# Altium PCB as14120_all.PcbDoc (part 1 of 4)
Units mm, origin at the board's own origin, x right, y up, seen from the top; angles counter-clockwise.
Board outline 130 x 100 mm, 6 copper layers (Top Layer, GND_top, Signal_Power, Signal_midle, GND_bot, Bottom Layer), stack 1.003 mm thick; 383 components, 353 nets, 2210 pads, 1060 vias.
Unrouted connection lines stored in the file: 634.
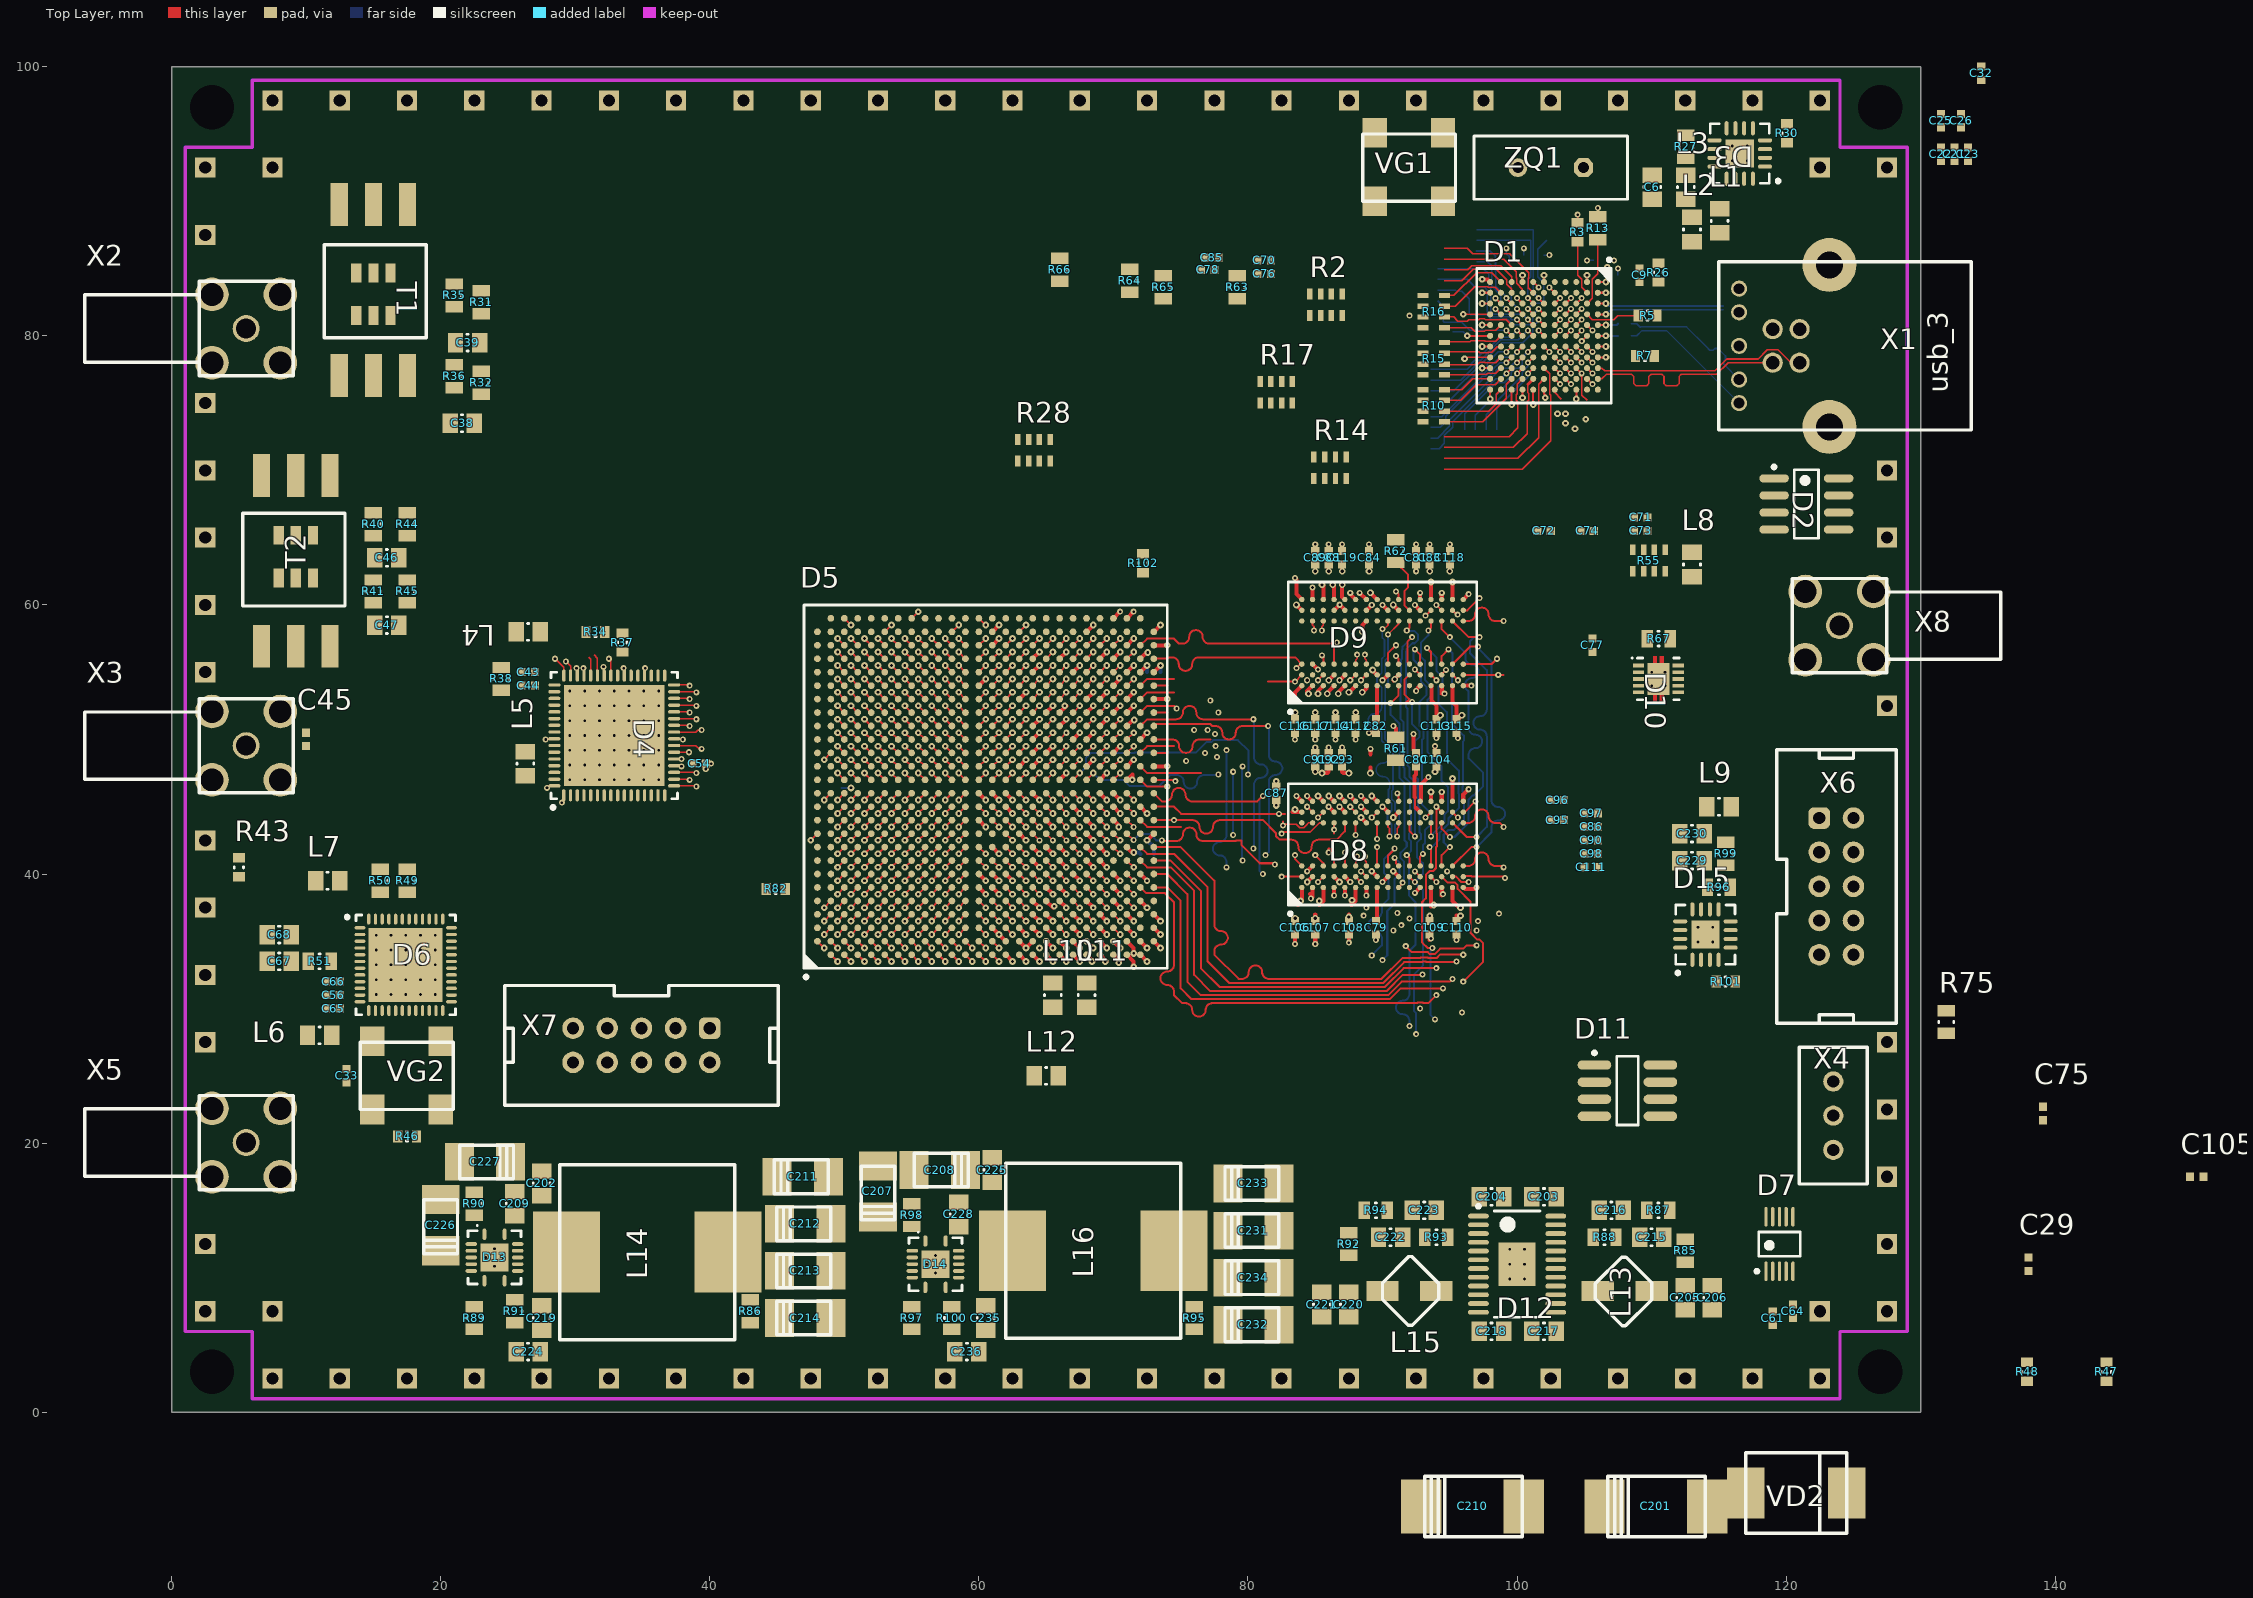
[diagram p0: Top Layer view]
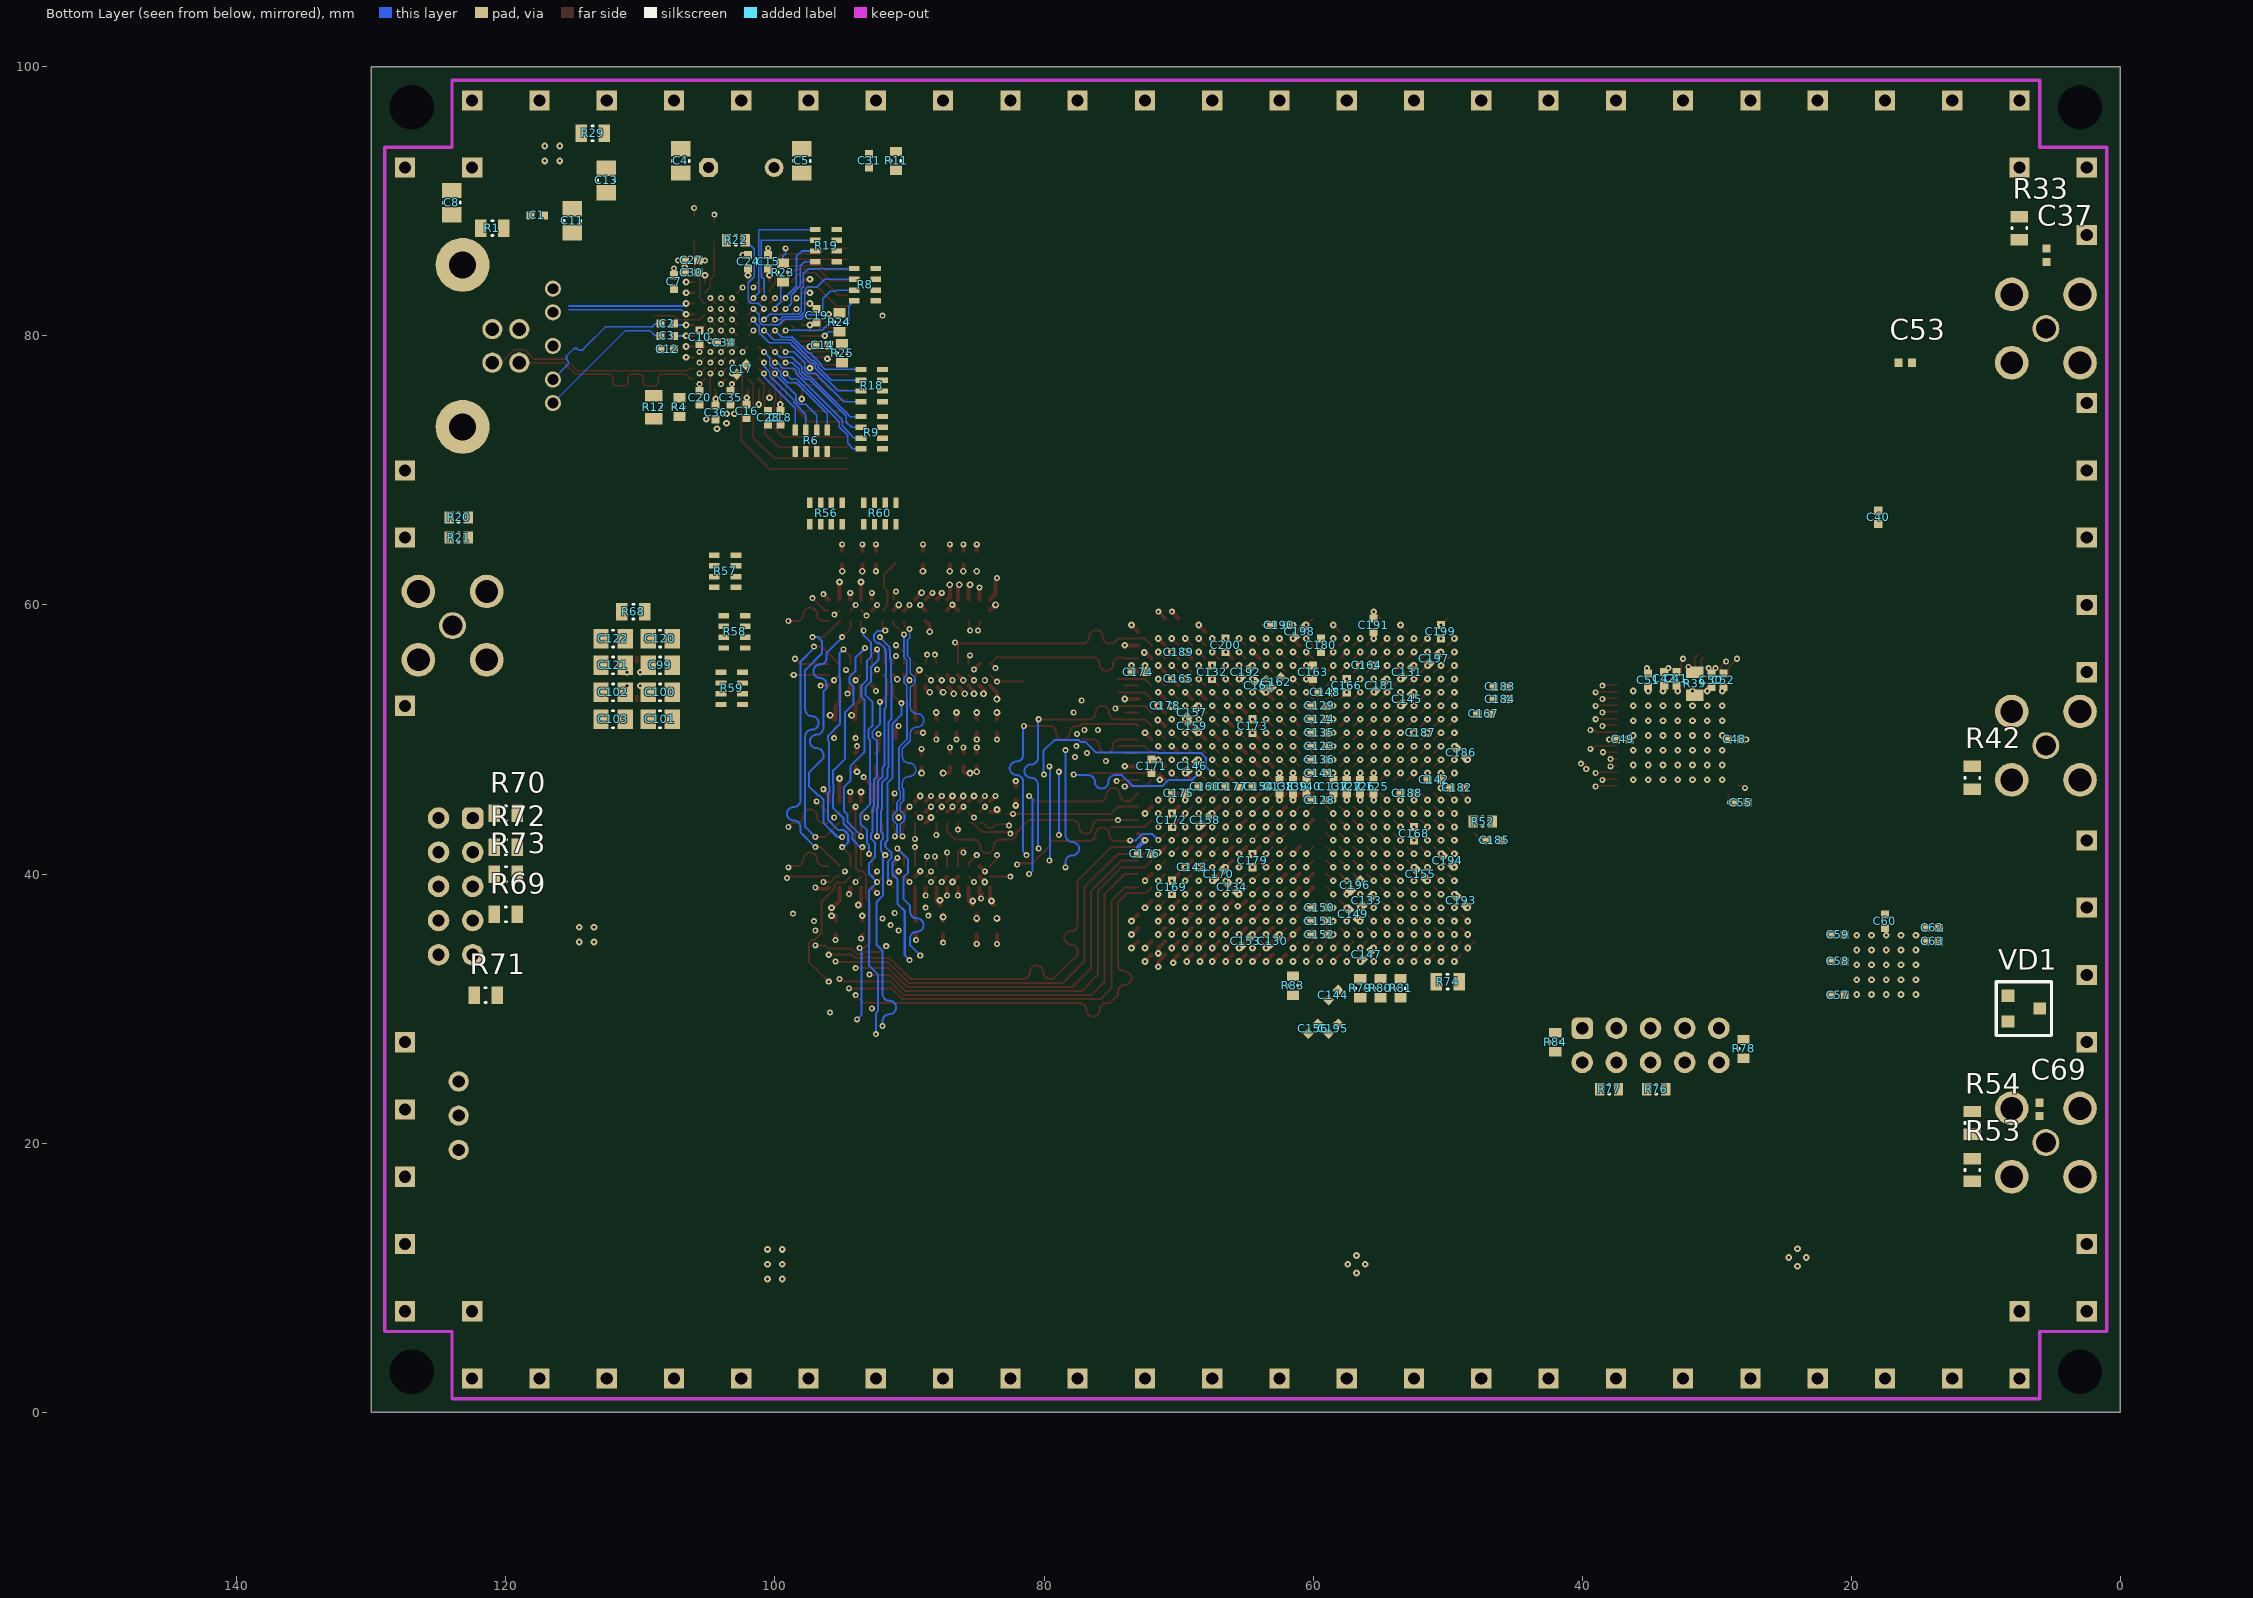
[diagram p1: Bottom Layer view, seen from below]
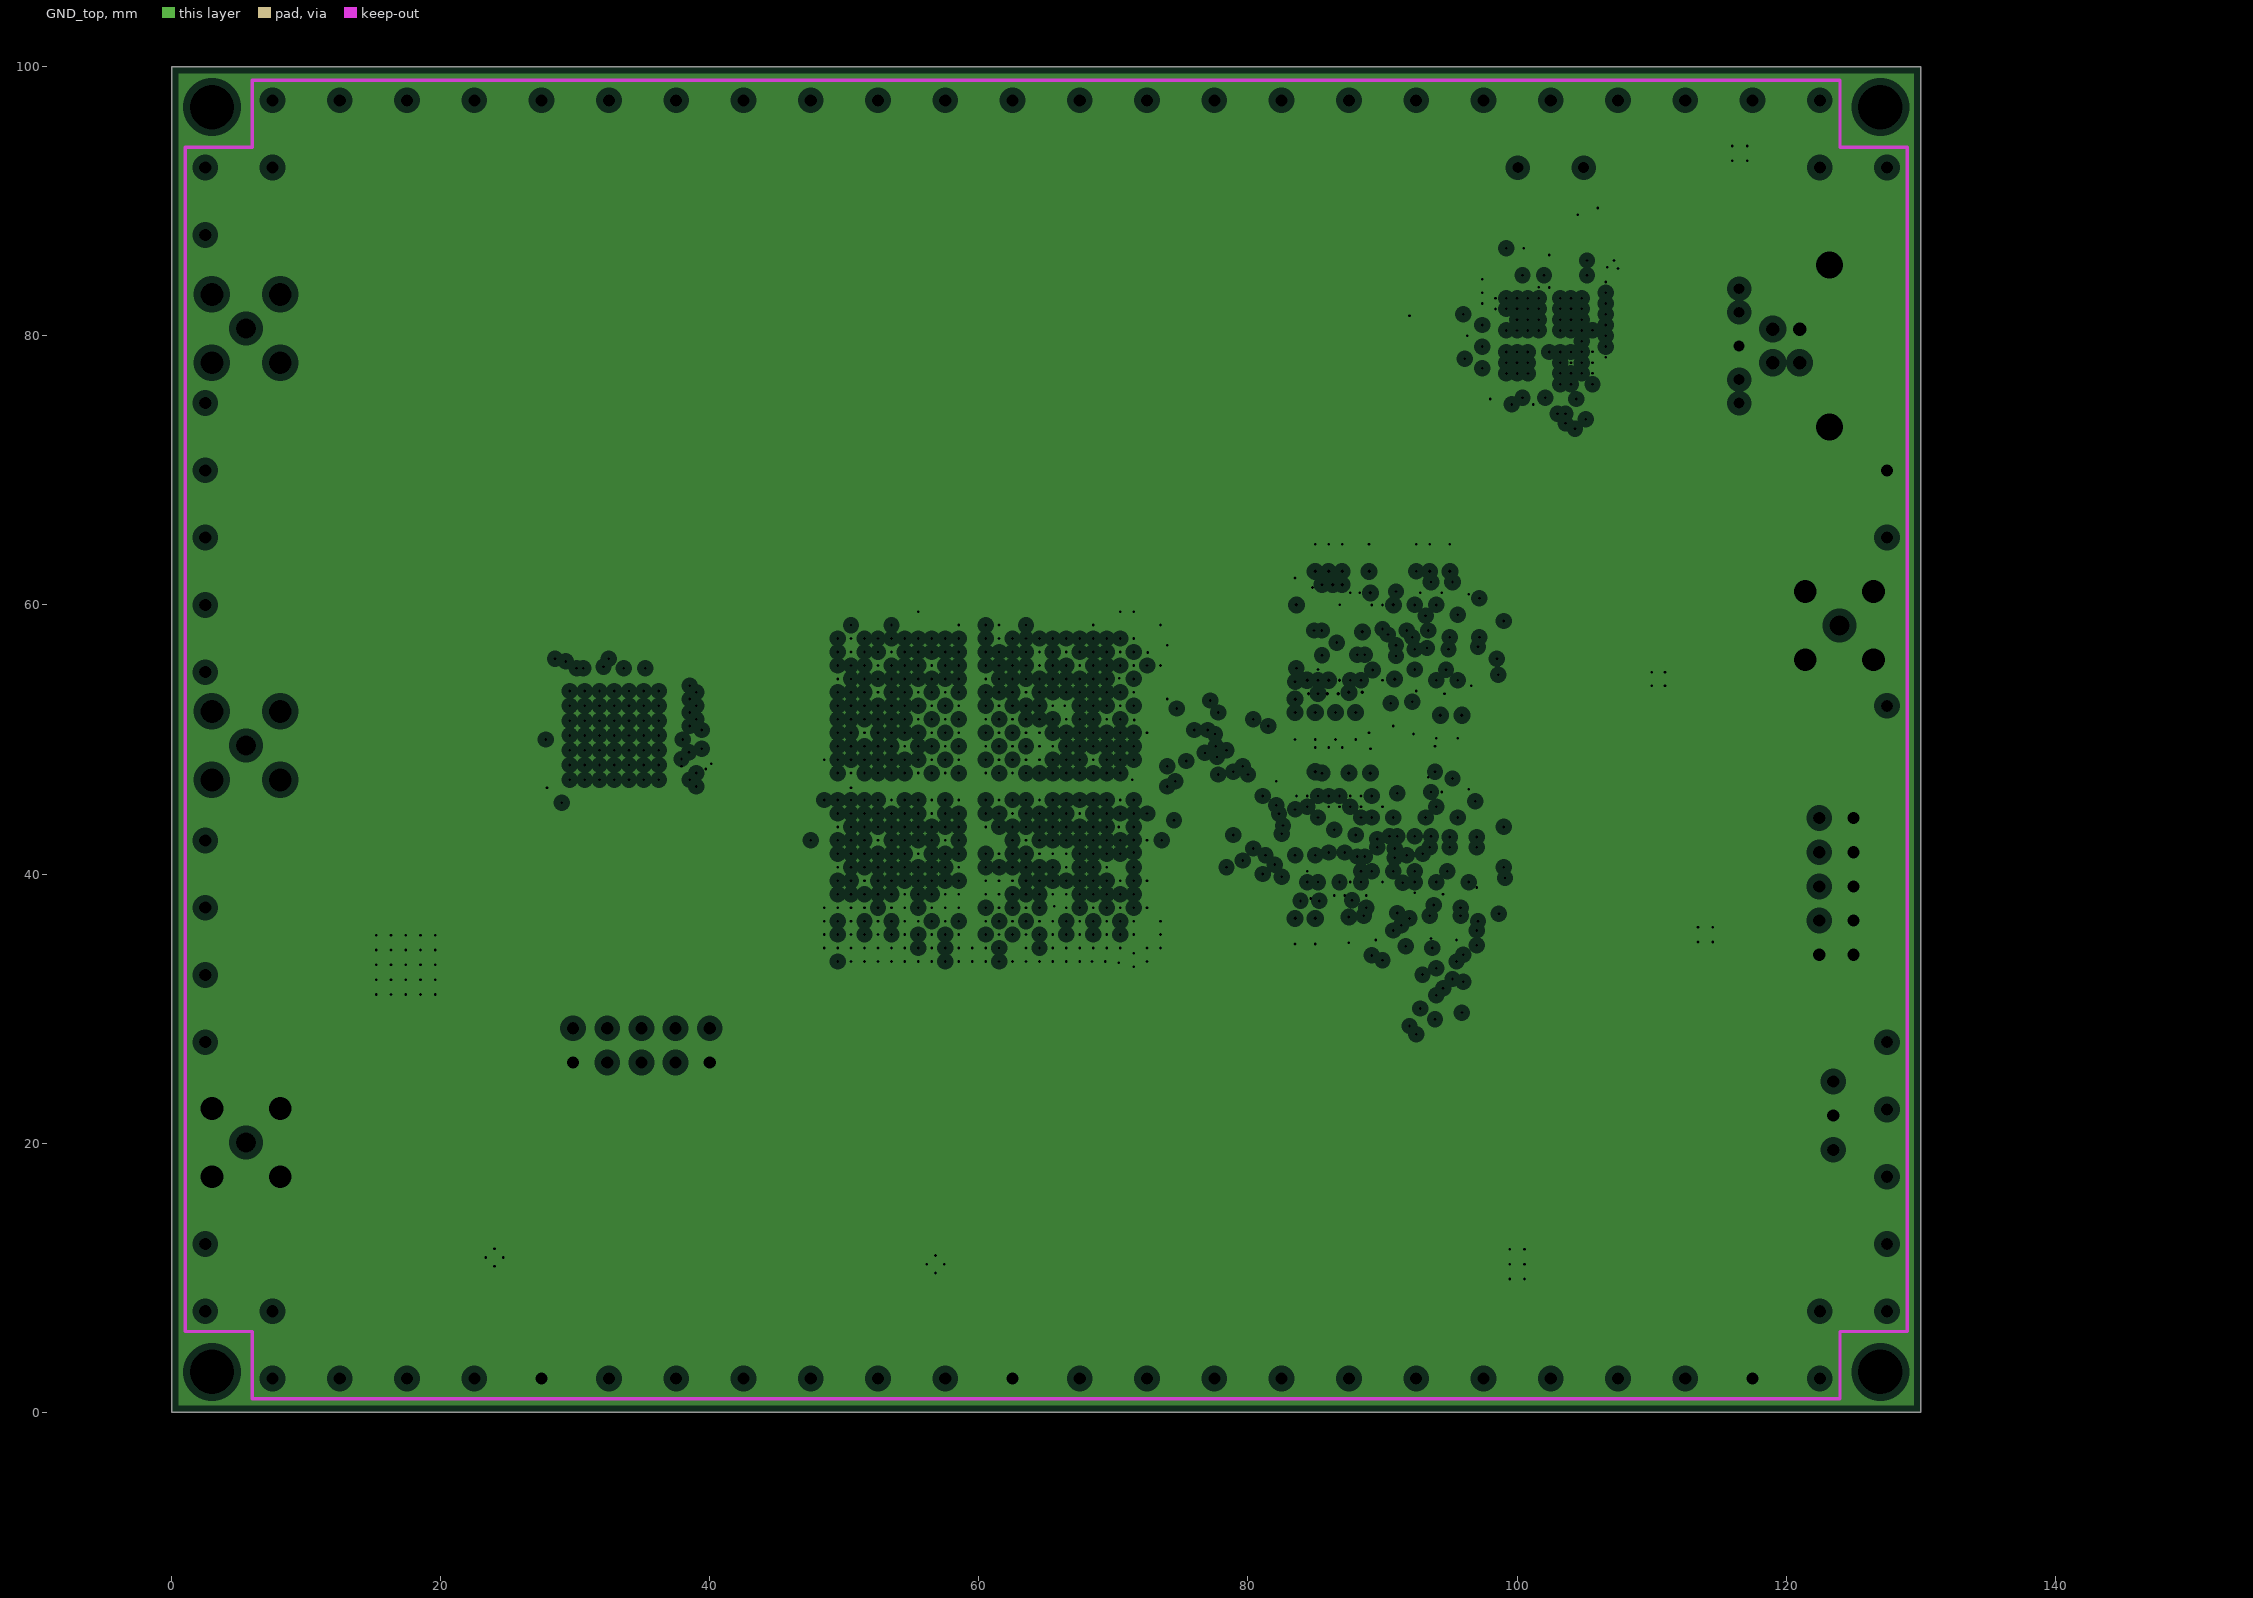
[diagram p2: GND_top, clearances drawn from the general rule]
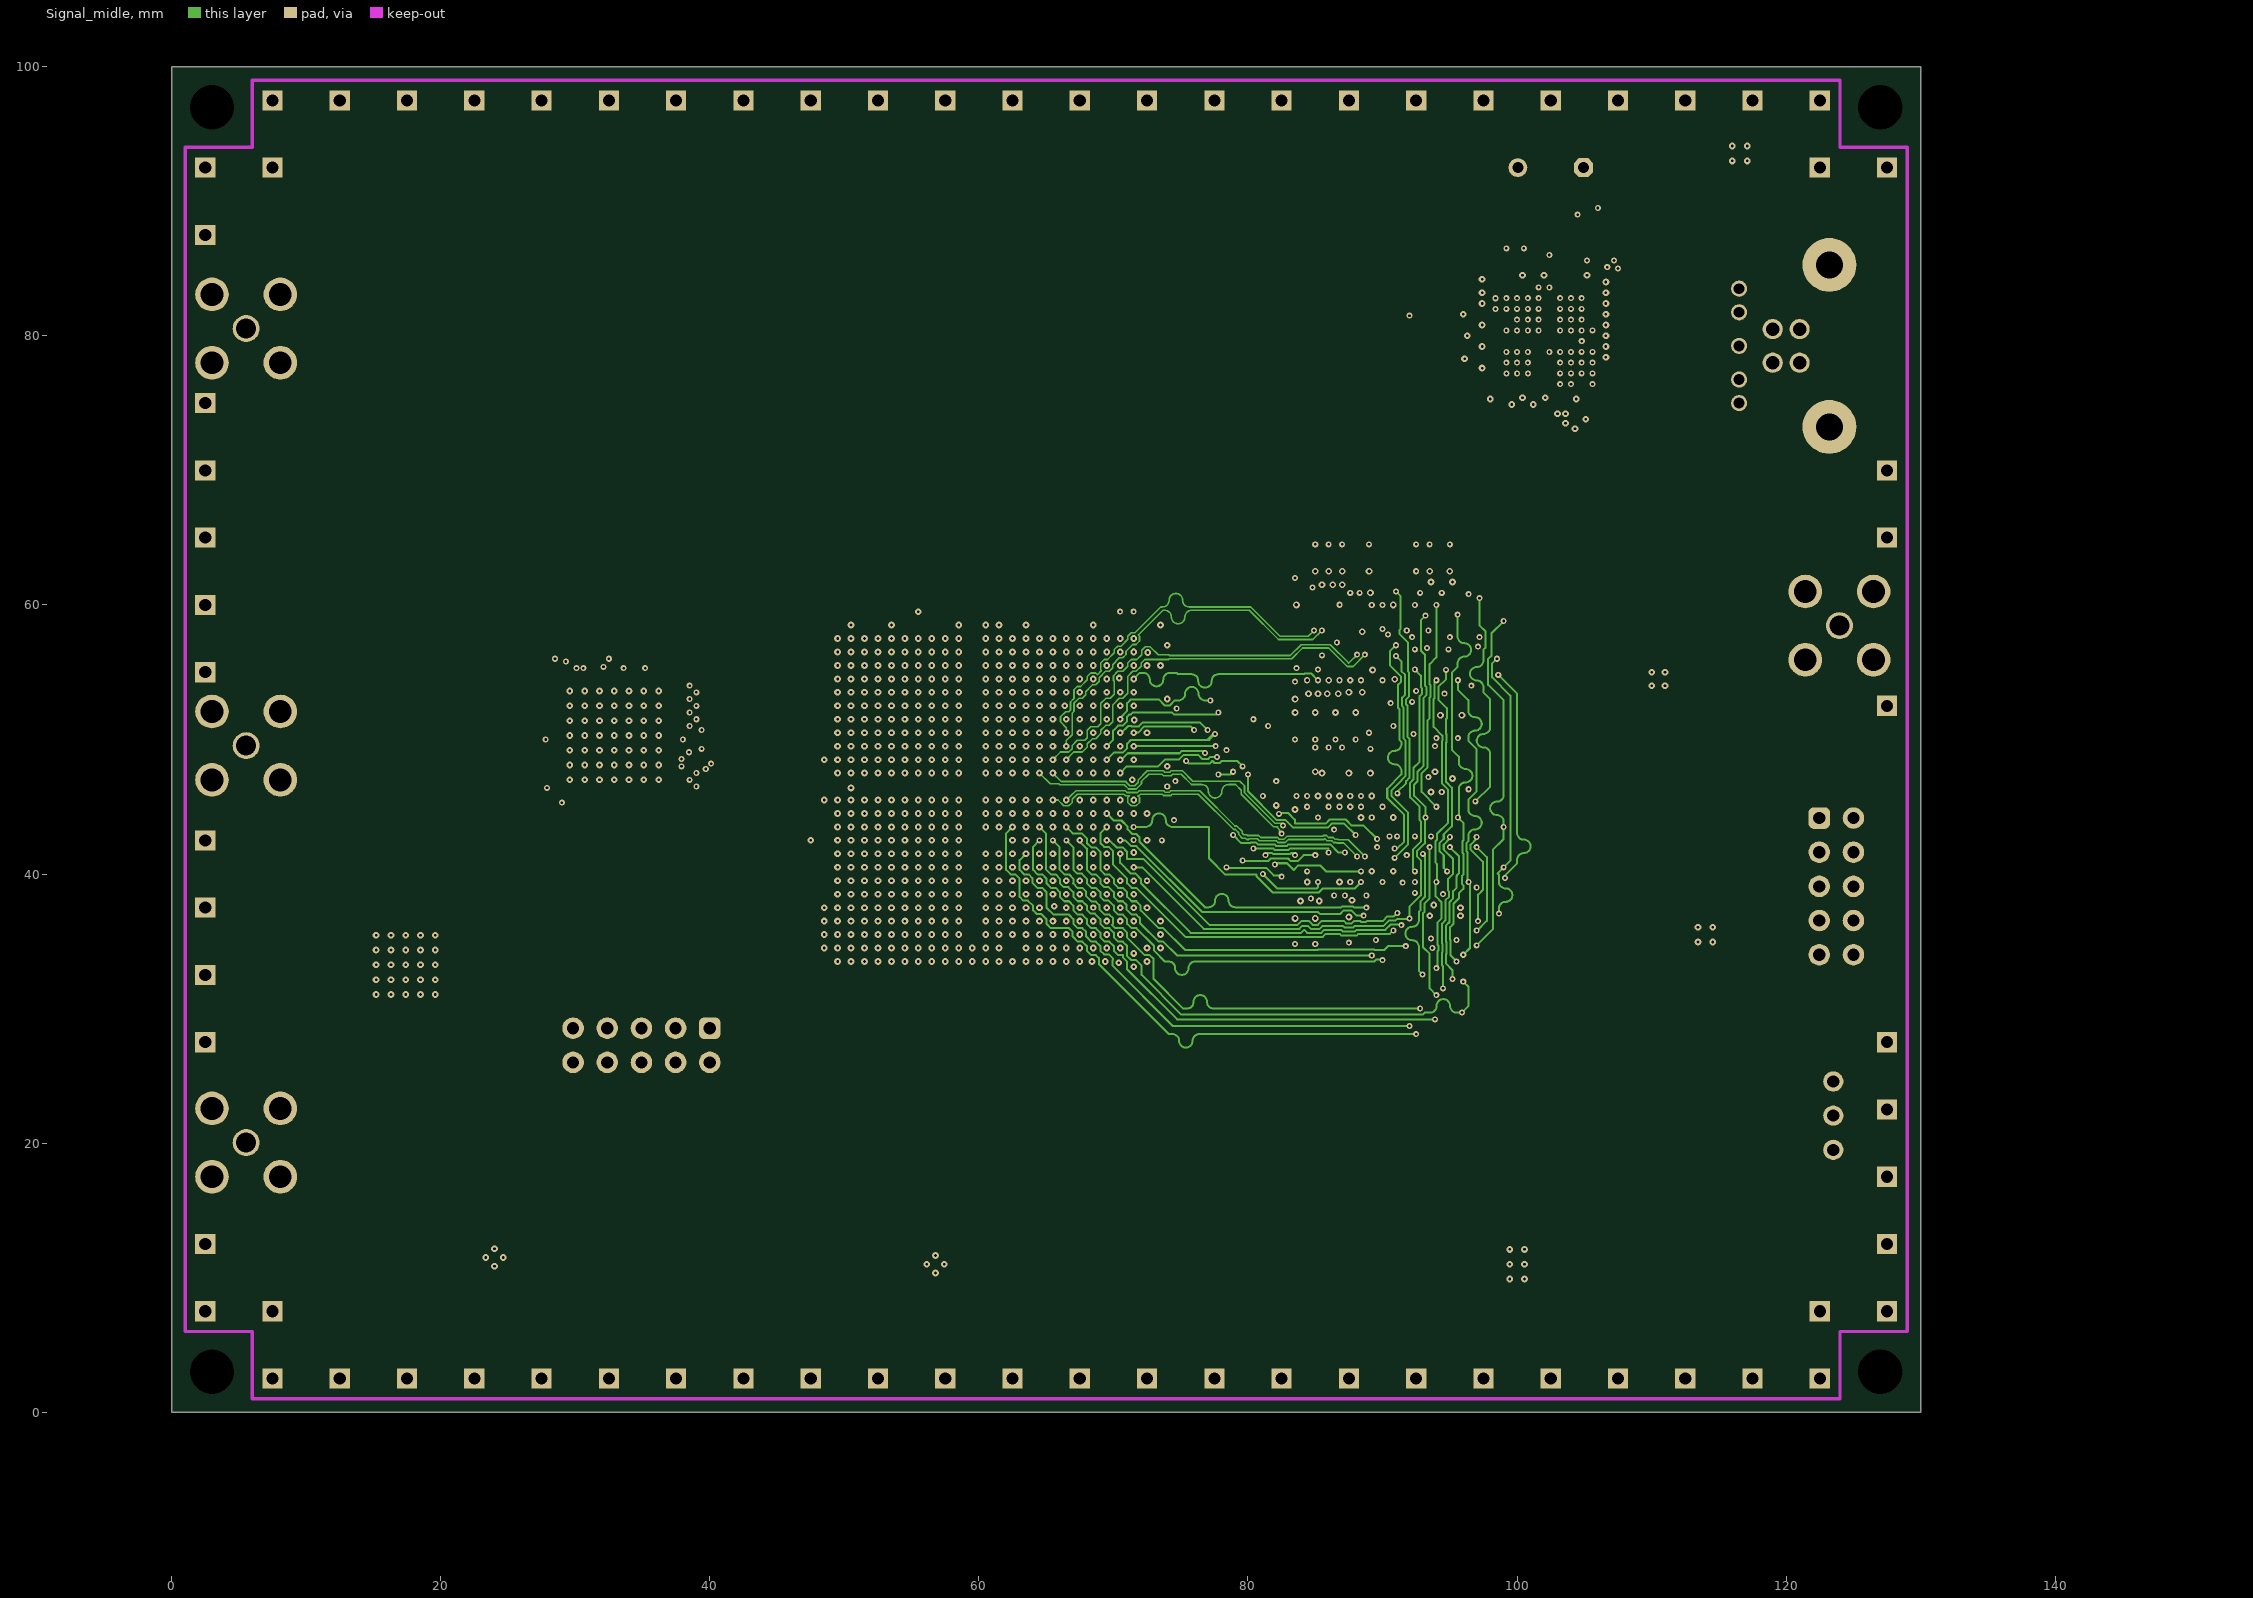
[diagram p3: Signal_midle]